# Altium PCB sanziqi_v1.2.PcbDoc
Units mil, origin at the board's own origin, x right, y up, seen from the top; angles counter-clockwise.
Board outline 4409.45 x 3229.94 mil, 2 copper layers (Top Layer, Bottom Layer); 107 components, 67 nets, 340 pads, 481 vias.
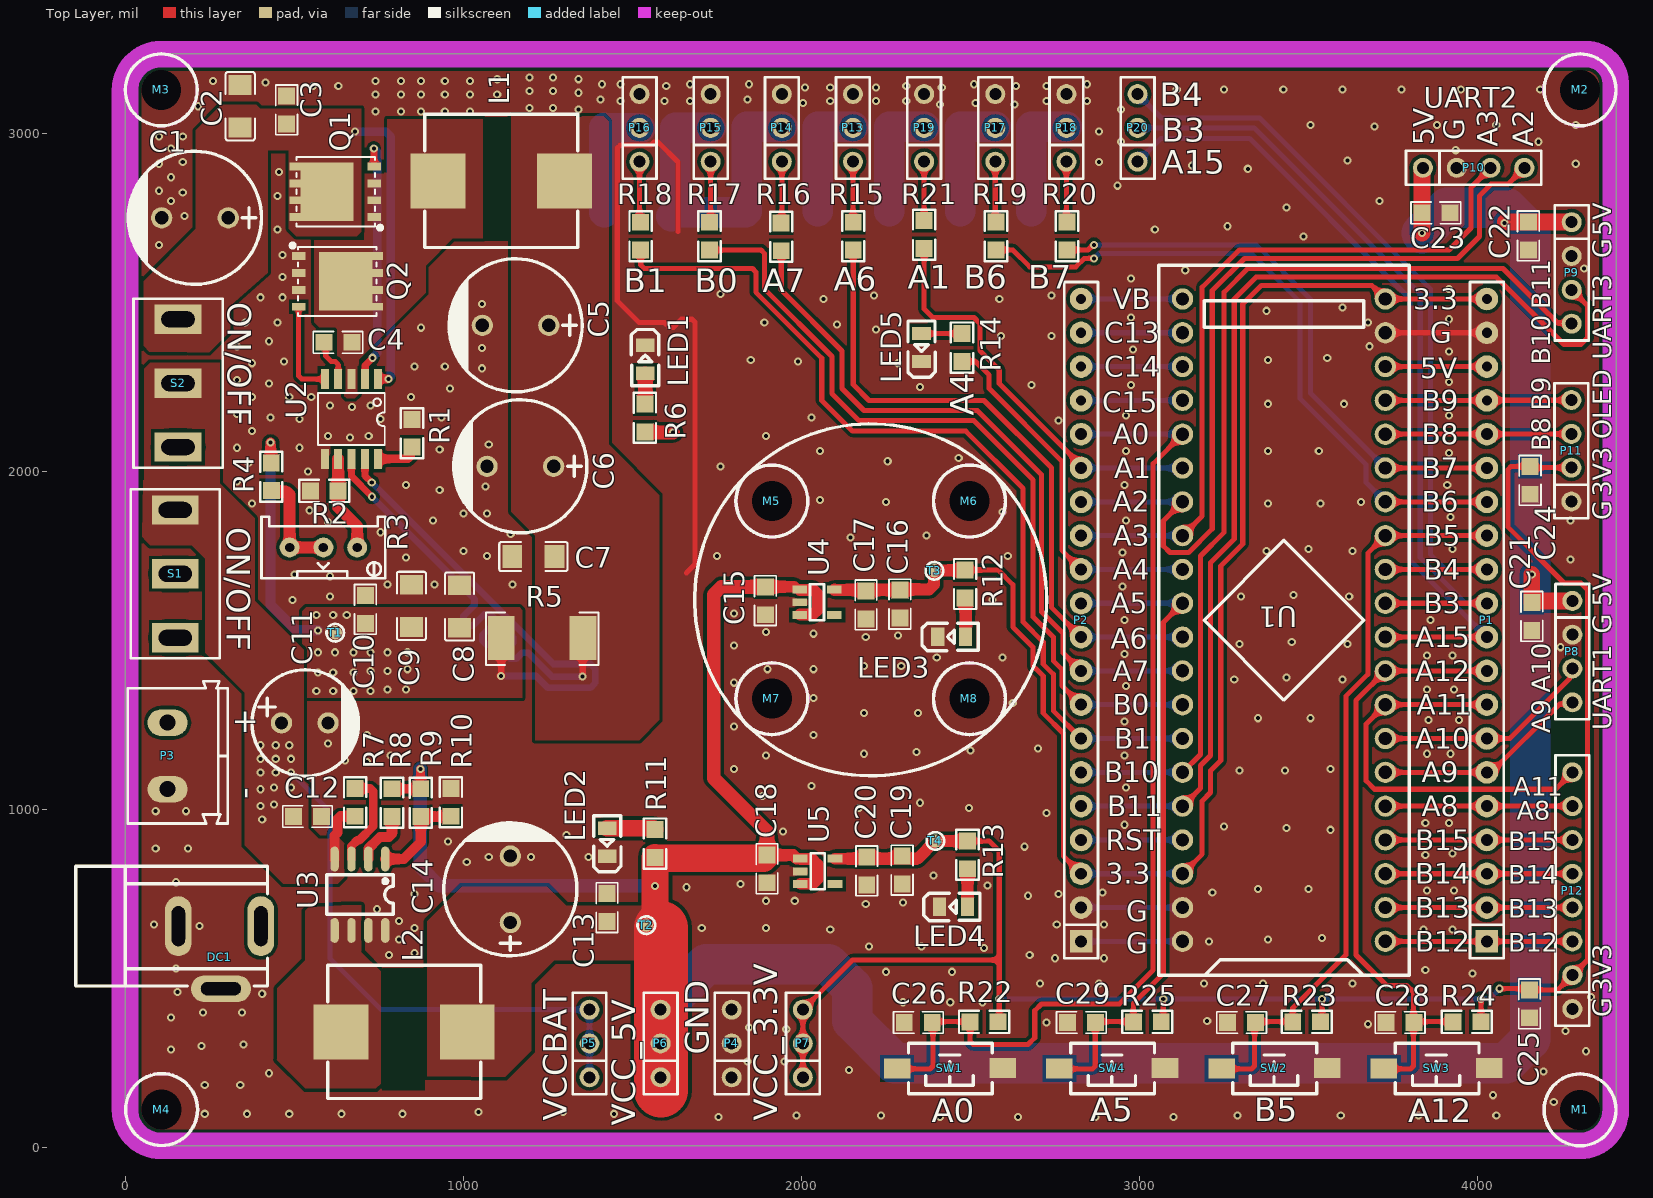
[diagram p0: Top Layer view]
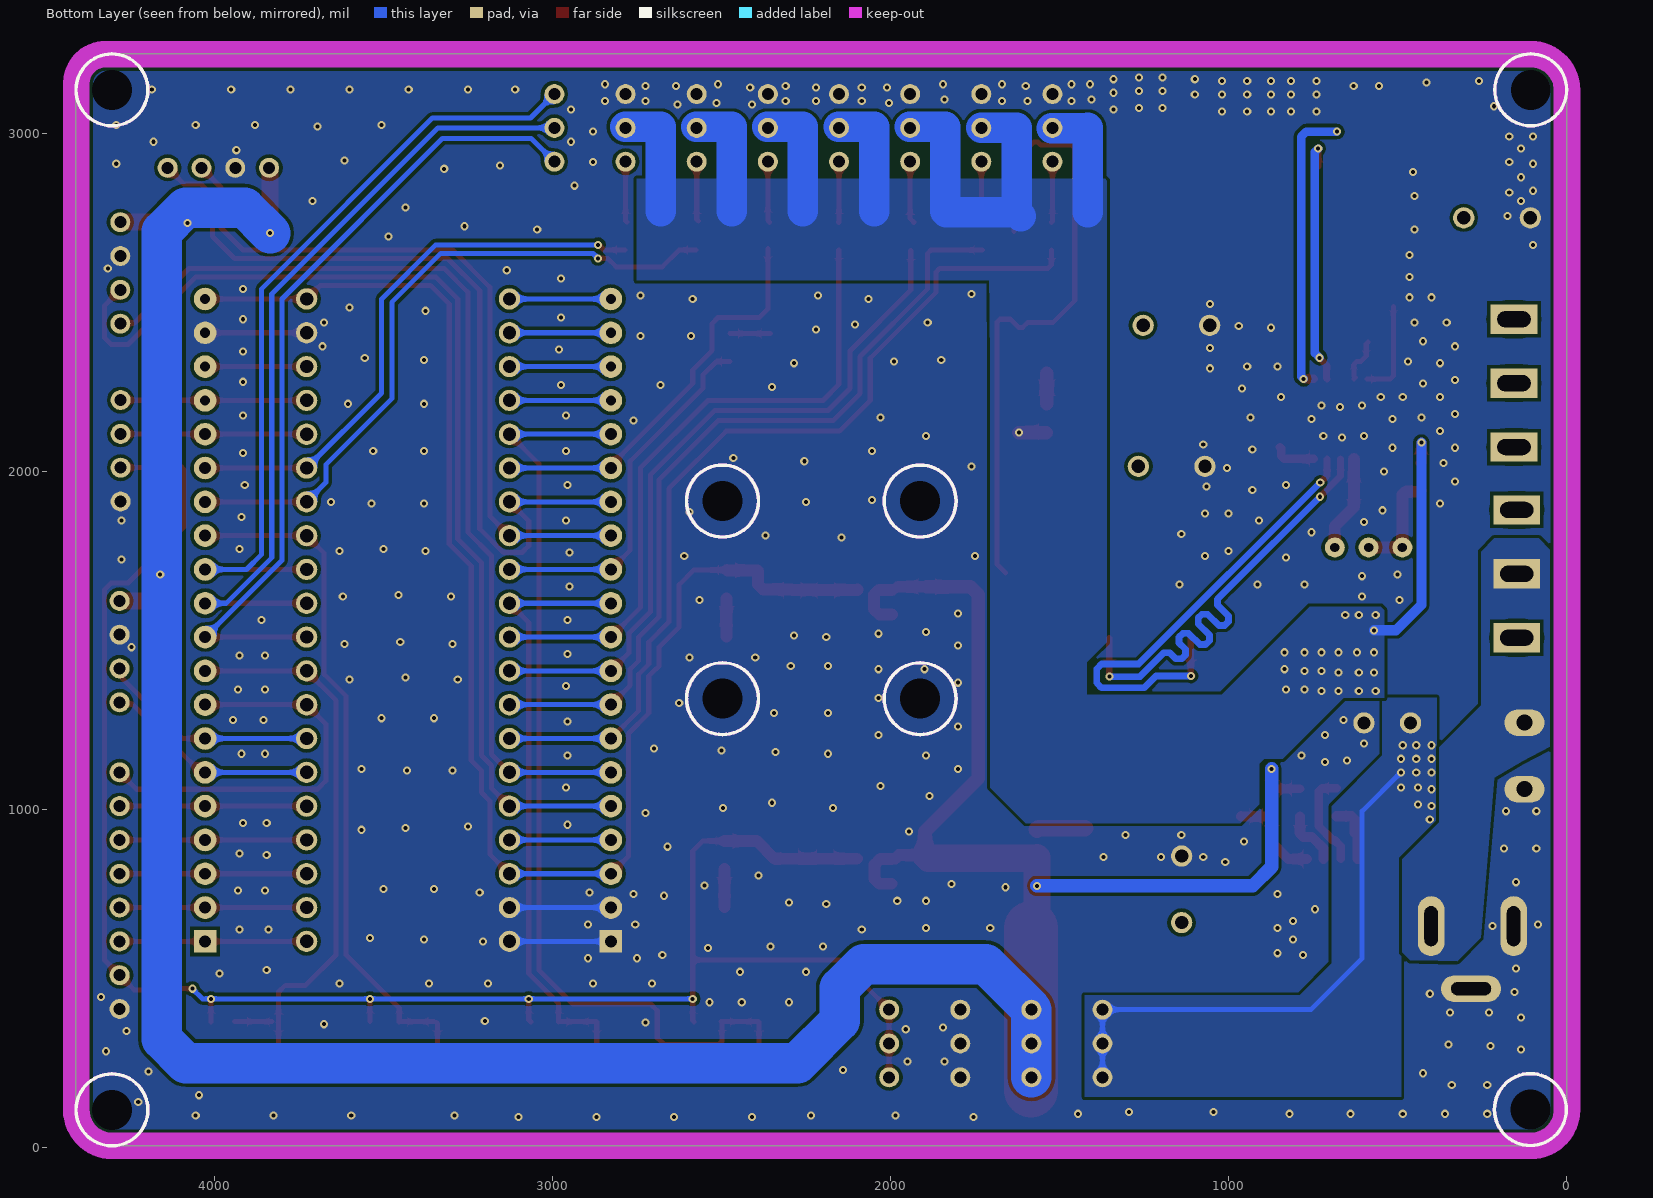
[diagram p1: Bottom Layer view, seen from below]

## Layer stack, top to bottom
Top Solder: solder mask 0.4, Solder Resist, Dk 3.5
Top Layer: signal copper 1.4
Dielectric 1: dielectric 12.6, FR-4, Dk 4.8
Bottom Layer: signal copper 1.4
Bottom Solder: solder mask 0.4, Solder Resist, Dk 3.5

## Board outline
0,110 0,3128 cw(c106.47,3128.47) 106,3234.94 4302.63,3234.94 cw(c4302.81,3128.29) 4409.45,3128.47 4409.45,110.85 cw(c4302.8,111.65) 4302,5 110,5 cw(c107.5,112.5)

## Design rules (kind name [scope] priority, off if disabled: settings)
Clearance [All] p1: gap=6 ignorepadtopadclearanceinfootprint=TRUE except(8: Arc-Arc Arc-Track Track-Track; 10: Arc-Fill Arc-Poly Arc-Region Track-Fill Track-Poly Track-Region SMDPad-Fill SMDPad-Poly SMDPad-Region THPad-Fill THPad-Poly THPad-Region Via-Fill Via-Poly Via-Region Fill-Fill Fill-Poly Fill-Region Poly-Poly Poly-Region Region-Region)
HoleSize [All] p1: absolutevalues=TRUE maxlimit=300 minlimit=1 maxpercent=80.000 minpercent=20.000
PlaneConnect [All] p1: planeconnectstyle=Direct reliefexpansion=20 reliefentries=4 reliefconductorwidth=10 reliefairgap=10
PolygonConnect [All] p1: connectstyle=Direct reliefconductorwidth=10 reliefentries=4 polygonreliefangle="90 Angle" airgapwidth=10
RoutingVias [All] p1: holewidth=12 width=24 viastyle="Through Hole" minholewidth=12 minwidth=24 maxholewidth=12 maxwidth=24
SolderMaskExpansion [All] p1: expansion=4 istentingtop=FALSE
Width PWR [InNetClass('PWR')] p1: maxlimit=200 minlimit=15 preferedwidth=45
Width [All] p2: maxlimit=60 minlimit=15 preferedwidth=20
28 further rules are at their usual default settings.

## Classes and differential pairs
net class PWR: GND VCC VCC_3.3V VCC_5V VCC_MCU_3.3V VCC_Servo_5V VCCBAT

## Components (designator, comment, footprint, x,y, rotation, side; value= is the part's Value field where it differs from the comment)
C1 "470uF" CAP-TH_BD10.0-P5.00-D0.6-FD 206,2750 r180 top
C2 "22uF" C1206 340,3080 r270 top
C3 "0.1uF" C0805 477.1,3116.7 r270 top
C4 "0.1uF" C0805 676.7,2381.9 r180 top
C5 "470uF" CAP-TH_BD10.0-P5.00-D0.6-FD 1154.41,2432 r180 top
C6 "470uF" CAP-TH_BD10.0-P5.00-D0.6-FD 1168.41,2015 r180 top
C7 "4.7uF" C1206 1207,1748 r180 top value=22uF
C8 "22uF" C1206 989,1600.3 r90 top
C9 "22uF" C1206 846,1602.3 r90 top
C10 "0.1uF" C0805 709.9,1544.3 r90 top
C11 "220uF 50V 铝电解" CAP-TH_BD8.0-P3.50-D0.6-FD 530.9,1256 r0 top value=220uF
C12 "0.1uF" C0805 491.3,979.1 r0 top
C13 "0.1uF" C0805 1425,757 r270 top
C14 "470uF" CAP-TH_BD10.0-P5.00-D0.6-FD 1139,764 r90 top
C15 "0.1uF" C0805 1893,1570 r90 top
C16 "0.1uF" C0805 2291,1560 r90 top
C17 "10uF" C0805 2191,1558 r90 top
C18 "0.1uF" C0805 1897.9,777.3 r90 top
C19 "0.1uF" C0805 2297.91,773.3 r90 top
C20 "10uF" C0805 2193.01,771 r90 top
C21 "0.1uF" C0805 4160,1524 r90 top
C22 "0.1uF" C0805 4150,2649 r90 top
C23 "0.1uF" C0805 3923.7,2764.9 r180 top
C24 "0.1uF" C0805 4155,2021 r270 top
C25 "0.1uF" C0805 4153.1,472.7 r270 top
C26 "0.1uF" C0805 2298,369.96 r0 top
C27 "0.1uF" C0805 3254.3,369.96 r0 top
C28 "0.1uF" C0805 3723.3,369.96 r0 top
C29 "0.1uF" C0805 2780.3,369.96 r0 top
DC1 "HC-DC-005-2.5M" DC-005 157.01,655 r180 top
L1 "2.2uH" IND-SMD_L11.5-W10.0_FXL1040 1112,2859 r0 top
L2 "10uH" IND-SMD_L11.5-W10.0_FXL1040 825,342 r0 top
LED1 "NCD0805R1" LED0805-R-RD 1538,2332 r270 top
LED2 "NCD0805R1" LED0805-R-RD 1425,903.35 r90 top
LED3 "NCD0805R1" LED0805-R-RD 2444.01,1511 r0 top
LED4 "NCD0805R1" LED0805-R-RD 2449.66,712 r0 top
LED5 "NCD0805R1" LED0805-R-RD 2355,2366.35 r90 top
M1 "MountHole" M3-MountHole 4302.8,111.65 r270 top
M2 "MountHole" M3-MountHole 4302.8,3128.47 r0 top
M3 "MountHole" M3-MountHole 106.47,3128.47 r0 top
M4 "MountHole" M3-MountHole 107.5,112.5 r270 top
M5 "MountHole" M3-MountHole 1912.27,1912.41 r0 top
M6 "MountHole" M3-MountHole 2496.92,1912.41 r0 top
M7 "MountHole" M3-MountHole 1912.27,1327.76 r0 top
M8 "MountHole" M3-MountHole 2496.92,1327.76 r0 top
P1 "MHDR1X20" HDR2.54-LI-20P 4027,1560 r90 top
P2 "MHDR1X20" HDR2.54-LI-20P 2827,1560 r90 top
P3 "KF/WJ/DG 30x connecter" "KF/WJ/DG 301-2p-5.0mm" 125,1158.42 r270 top
P4 "Header-D-M 1x3P" HDR1X3-M 1793.67,208 r90 top
P5 "Header-D-M 1x3P" HDR1X3-M 1373,208 r90 top
P6 "Header-D-M 1x3P" HDR1X3-M 1583.33,208 r90 top
P7 "Header-D-M 1x3P" HDR1X3-M 2004,208 r90 top
P8 "Header-D-M 1x4P" HDR1X4-M 4280.01,1617 r270 top
P9 "Header-D-M 1x4P" HDR1X4-M 4278,2737 r270 top
P10 "Header-D-M 1x4P" HDR1X4-M 3838,2898 r0 top
P11 "Header-D-M 1x4P" HDR1X4-M 4277,1911 r90 top
P12 "Header-D-M 1x8P" HDR1X8-M 4280,410 r90 top
P13 "Header-D-M 1x3P" HDR1X3-M 2152.29,2916 r90 top
P14 "Header-D-M 1x3P" HDR1X3-M 1941.86,2916 r90 top
P15 "Header-D-M 1x3P" HDR1X3-M 1731.44,2916 r90 top
P16 "Header-D-M 1x3P" HDR1X3-M 1521.01,2916 r90 top
P17 "Header-D-M 1x3P" HDR1X3-M 2573.14,2916 r90 top
P18 "Header-D-M 1x3P" HDR1X3-M 2783.57,2916 r90 top
P19 "Header-D-M 1x3P" HDR1X3-M 2362.72,2916 r90 top
P20 "Header-D-M 1x3P" HDR1X3-M 2994,2916 r90 top
Q1 "HY1904C2" DFN-8_L5.9-W5.2-P1.27-LS6.2-BL 621,2827 r90 top
Q2 "HY1904C2" DFN-8_L5.9-W5.2-P1.27-LS6.2-BL 628,2562 r270 top
R1 "150k ±1%" R0805 848.2,2071.7 r90 top value=150k
R2 "25K ±1%" R0805 629.63,1942.63 r180 top value=25K
R3 "100K" RESPOT3296W 586,1775 r180 top
R4 "57.6K ±1%" R0805 431.8,2025.3 r270 top value=57.6K
R5 "4mΩ" RES-SMD_L6.4-W3.2-R2512 1233,1507 r180 top
R6 "10K ±1%" R0805 1536.8,2199.3 r270 top value=10K
R7 "100k ±1%" R0805 679.8,1062.3 r270 top value=100k
R8 "0 ±1%" R0805 788.8,1061.3 r270 top value=0
R9 "100k ±1%" R0805 873.8,1061.3 r270 top value=100k
R10 "25K ±1%" R0805 963,980 r90 top value=25K
R11 "10K ±1%" R0805 1566.8,940.3 r270 top value=10K
R12 "10K ±1%" R0805 2484.01,1626 r90 top value=10K
R13 "10K ±1%" R0805 2491.21,824.7 r90 top value=10K
R14 "4.7K ±1%" R0805 2474.8,2407.3 r270 top value=4.7K
R15 "100R ±1%" R0805 2153.2,2654.7 r90 top value=100R
R16 "100R ±1%" R0805 1940.2,2652.7 r90 top value=100R
R17 "100R ±1%" R0805 1727.87,2654.7 r90 top value=100R
R18 "100R ±1%" R0805 1524.2,2654.7 r90 top value=100R
R19 "100R ±1%" R0805 2575,2655 r90 top value=100R
R20 "100R ±1%" R0805 2785,2655 r90 top value=100R
R21 "100R ±1%" R0805 2362.92,2659.42 r90 top value=100R
R22 "10K ±1%" R0805 2499,372 r0 top value=10K
R23 "10K ±1%" R0805 3453,372 r0 top value=10K
R24 "10K ±1%" R0805 3927,372 r0 top value=10K
R25 "10K ±1%" R0805 2981.7,372 r0 top value=10K
S1 "SW-SPDT" SS12D10 148,1697 r90 top
S2 "SW-SPDT" SS12D10 156,2260.98 r90 top
SW1 "SW-PB_V" "TSW SMD-3*6*2.5" 2438,234 r180 top
SW2 "SW-PB_V" "TSW SMD-3*6*2.5" 3397.56,234 r180 top
SW3 "SW-PB_V" "TSW SMD-3*6*2.5" 3877.33,234 r180 top
SW4 "SW-PB_V" "TSW SMD-3*6*2.5" 2917.78,234 r180 top
T1 "Testpoint-Pad" testpoint-pad-1mm 621,1523 r0 top
T2 "Testpoint-Pad" testpoint-pad-1mm 1541,658 r270 top
T3 "Testpoint-Pad" testpoint-pad-1mm 2393,1706 r90 top
T4 "Testpoint-Pad" testpoint-pad-1mm 2396.01,907 r90 top
U1 "STM32F103C8T6" CONN-TH_L53.3-W22.9_STM32F103C8T6-CARD 3427,1560 r90 top
U2 "NDP1415RB" SSOP-10_L4.9-W3.9-P1.00-LS6.0-BL-1 669,2155 r180 top
U3 "NDP2450KC" SOP-8_L4.9-W3.9-P1.27-LS6.0-BL 694,748 r180 top
U4 "RT9013-33" SOT-23-5 2046,1613 r0 top
U5 "RT9013-33" SOT-23-5 2048.01,817 r0 top

## Footprints (in the part's own frame and the unit in brackets; to place one, negate y for a bottom-side part, rotate by r counter-clockwise, add the part's x,y. Pads: shape width x height; smd on the part's side, far side on the other; paste and mask are expansions set on the pad)
C0805 [mil]
  rect 50x50 smd: 1(6,0) 2(88.7,-0.1)
  silkscreen extent -26,-32 121,32, body extent 8,-24 87,25, height 30
C1206 [mm]
  rect 1.485x1.728 smd paste-100 mask+0.051: 1(-1.593,0) 2(1.593,0)
  silkscreen extent -2.56,-1.09 2.56,1.09
CAP-TH_BD8.0-P3.50-D0.6-FD [mm]
  round 1.6 hole 1: 1(-1.75,0) 2(1.75,0)
  silkscreen extent -3.96,-4 4.04,4
CAP-TH_BD10.0-P5.00-D0.6-FD [mm]
  round 1.6 hole 1 paste+0 mask+0.05: 1(-2.5,0) 2(2.5,0)
  silkscreen extent -5,-5 5.08,5
CONN-TH_L53.3-W22.9_STM32F103C8T6-CARD [mm]
  round 1.6 hole 1: 1(-24.13,-7.62) 2(-21.59,-7.62) 3(-19.05,-7.62) 4(-16.51,-7.62) 5(-13.97,-7.62) 6(-11.43,-7.62) 7(-8.89,-7.62) 8(-6.35,-7.62) 9(-3.81,-7.62) 10(-1.27,-7.62) 11(1.27,-7.62) 12(3.81,-7.62) 13(6.35,-7.62) 14(8.89,-7.62) 15(11.43,-7.62) 16(13.97,-7.62) 17(16.51,-7.62) 18(19.05,-7.62) 19(21.59,-7.62) 20(24.13,-7.62) 21(24.13,7.62) 22(21.59,7.62) 23(19.05,7.62) 24(16.51,7.62) 25(13.97,7.62) 26(11.43,7.62) 27(8.89,7.62) 28(6.35,7.62) 29(3.81,7.62) 30(1.27,7.62) 31(-1.27,7.62) 32(-3.81,7.62) 33(-6.35,7.62) 34(-8.89,7.62) 35(-11.43,7.62) 36(-13.97,7.62) 37(-16.51,7.62) 38(-19.05,7.62) 39(-21.59,7.62) 40(-24.13,7.62)
  silkscreen extent -26.67,-9.4 26.67,9.4
DC-005 [mm] "DC母座5.5mm"
  oval 2x4.5 hole 1 slot 3 at 90 deg: 1(-6.2,0) 2(0,0)
  oval 4.5x2 hole 1 slot 3 at 0 deg: 3(-3.2,4.7)
  silkscreen extent -6.7,-4.5 7.7,4.5, body extent -6.55,-4.5 7.5,4.8, height 11.25
DFN-8_L5.9-W5.2-P1.27-LS6.2-BL [mm]
  rect 0.6x1 smd paste-100 mask+0.05: 1(-1.905,-2.925) 2(-0.635,-2.925) 3(0.635,-2.925) 4(1.905,-2.925) 5(1.905,2.925) 6(0.635,2.925) 7(-0.635,2.925) 8(-1.905,2.925)
  rect 4.41x4 smd paste-100 mask+0.05: 9(0,0.61)
  silkscreen extent -2.85,-3.53 2.6,2.92
HDR1X3-M [mm]
  round 1.5 hole 0.9: 1(0,0) 2(2.54,0) 3(5.08,0)
  silkscreen extent -1.27,-1.27 6.35,1.27, body extent -1.27,-1.27 6.35,1.27, height 8.54
HDR1X4-M [mm]
  round 1.5 hole 0.9: 1(0,0) 2(2.54,0) 3(5.08,0) 4(7.62,0)
  silkscreen extent -1.27,-1.27 8.89,1.27, body extent -1.27,-1.27 8.89,1.27, height 8.54
HDR1X8-M [mm]
  round 1.5 hole 0.9: 1(0,0) 2(2.54,0) 3(5.08,0) 4(7.62,0) 5(10.16,0) 6(12.7,0) 7(15.24,0) 8(17.78,0)
  silkscreen extent -1.27,-1.27 19.05,1.27, body extent -1.27,-1.27 19.05,1.27, height 8.54
HDR2.54-LI-20P [mm] "排针，20脚"
  rect 1.7x1.7 hole 0.9: 1(-24.13,0)
  round 1.7 hole 0.9: 2(-21.59,0) 3(-19.05,0) 4(-16.51,0) 5(-13.97,0) 6(-11.43,0) 7(-8.89,0) 8(-6.35,0) 9(-3.81,0) 10(-1.27,0) 11(1.27,0) 12(3.81,0) 13(6.35,0) 14(8.89,0) 15(11.43,0) 16(13.97,0)
  round 1.7 hole 0.762: 17(16.51,0) 18(19.05,0) 19(21.59,0) 20(24.13,0)
  silkscreen extent -25.4,-1.27 25.4,1.27, body extent -25.4,-1.27 25.4,1.27, height 2.54
IND-SMD_L11.5-W10.0_FXL1040 [mm]
  rect 4.1x4.1 smd: 1(-4.75,0) 2(4.75,0)
  silkscreen extent -5.75,-5 5.75,5
"KF/WJ/DG 301-2p-5.0mm" [mm]
  oval 2x3 hole 1.2: 1(2.5,0) 2(-2.5,0)
  silkscreen extent -5.6,-3 5.08,4.53, body extent -5.6,-3 5,4.6, height 10
LED0805-R-RD [mm]
  rect 1x1.4 smd: 1(1.05,0) 2(-1.05,0)
  silkscreen extent -2.22,-1.04 1.99,1.01
M3-MountHole [mm]
  rect 0x0 hole 3 unplated: 1(0,0)
  Keep-Out Layer circle w0.254: c0,0 r2.7
  silkscreen extent -2.7,-2.7 2.7,2.7
R0805 [mil]
  rect 50x50 smd: 1(0,0) 2(82.3,0.2)
  silkscreen extent -33,-33 115,33, body extent 1,-24 80,25, height 22
RES-SMD_L6.4-W3.2-R2512 [mm]
  rect 2x3.3 smd: 1(-3.066,0) 2(3.066,0)
  silkscreen extent -4.23,-1.91 4.23,2.01
RESPOT3296W [mm]
  round 1.5 hole 0.7: 1(-2.54,0) 2(2.54,0) ADJ(0,0)
  silkscreen extent -4.65,-2.3 4.65,2.3, body extent -4.75,-2.4 4.75,2.4, height 3.1
SOP-8_L4.9-W3.9-P1.27-LS6.0-BL [mm]
  oval 0.63x1.865 smd: 1(-1.905,-2.682) 2(-0.635,-2.682) 3(0.635,-2.682) 4(1.905,-2.682) 5(1.905,2.682) 6(0.635,2.682) 7(-0.635,2.682) 8(-1.905,2.682)
  silkscreen extent -2.5,-1.5 2.5,1.48
SOT-23-5 [mm]
  rect 1.1x0.6 smd: 1(-1.3,0.95) 2(-1.3,0) 3(-1.3,-0.95) 4(1.3,-0.95) 5(1.3,0.95)
  silkscreen extent -0.53,-1.35 0.53,1.35, body extent -1.42,-1.46 1.42,1.46, height 1.08
SS12D10 [mm]
  rect 2.2x3.5 hole 2.5 slot 1.2 at 0 deg mask+0.07: 1(-4.8,0) 2(0,0) 3(4.8,0)
  silkscreen extent -6.35,-3.35 6.35,3.35, body extent -6.4,-3.3 6.35,3.8, height 12.5
SSOP-10_L4.9-W3.9-P1.00-LS6.0-BL-1 [mm]
  rect 0.6x1.5 smd paste+0 mask+0.05: 1(-2,-3) 2(-1,-3) 3(0,-3) 4(1,-3) 5(2,-3) 6(2,3) 7(1,3) 8(0,3) 9(-1,3) 10(-2,3)
  silkscreen extent -2.5,-1.95 2.5,1.95
testpoint-pad-1mm [mm]
  round 1 smd: 1(0,0)
  silkscreen extent -0.66,-0.66 0.66,0.66
"TSW SMD-3*6*2.5" [mm] "3*6*2.5mm"
  rect 2x1.5 smd: 1(-3.996,-0.02) 2(3.937,0)
  silkscreen extent -3.21,-1.9 3.09,1.9, body extent -4,-1.88 4,1.62, height 2.59

## Part data
C1 C5 C6 C14: library part HG1H477M1016PC, "直插固态电容 470UF", Equivalent Series Resistance(ESR)=32mΩ, JLCPCB Part Class="Extended Part", LCSC Part Name="470uF ±20% 50V", Lifetime @ Temp=2000hrs@105℃, Manufacturer=HONOR(荣誉), Operating Temperature=-55℃~+105℃, Rated Voltage=50V, Ripple Current=3.15A, Tolerance=±20%, Add into BOM=yes, Convert to PCB=yes, Datasheet=https://atta.szlcsc.com/upload/public/pdf/source/20230323/E6B46A248FBB182638B68380B3289E6D.pdf, Device=HG1H477M1016PC, L=16mm, Lead Spacing=5mm, Manufacturer Part=HG1H477M1016PC, Supplier=LCSC, Supplier Footprint=插件,D10xL16mm, Supplier Part=C5438877, Symbol=HG1H477M1016PC, φD=10mm
C2 C7 C8 C9: library part "Cap 22uF 1206", JLCPCB Part Class="Extended Part", LCSC Part Name="22uF ±20% 35V", Manufacturer=HRE(芯声), Manufacturer Part=CGA1206X5R226M350NT, Temperature Coefficient=X5R, Tolerance=±20%, Voltage Rated=35V, Add into BOM=yes, Convert to PCB=yes, Device=CGA1206X5R226M350NT, Supplier=LCSC, Supplier Footprint=1206, Supplier Part=C6119969, Symbol=CGA1206X5R226M350NT
C3 C4 C10 C15 C16 C18 C19 C21 C22 C23 C24 C25 C26 C27 C28 C29: library part "Cap 0.1uF 0805", "贴片电容0805", Revision=V1.0
C11: library part "220uF 50V", "直插电解电容 220uF", Voltage=50V, Revision=V1.0, Type=铝电解
C12 C13: library part "0.1uF 0805", "贴片电容0805", Revision=V1.0
C17 C20: library part "Cap 10uF 0805", "贴片电容0805", Revision=V1.0
DC1: JLCPCB Part Class=ExtendedPart, Manufacturer=HCTL(华灿天禄), 3DModel=DC-IN-TH_KH-DC-005-2.5, Add into BOM=yes, Convert to PCB=yes, Device=HC-DC-005-2.5M, link=https://atta.szlcsc.com/upload/public/pdf/source/20210716/C2847170_7F0110A0BEDEE81C68B76DF87AC8DA16.pdf, Manufacturer Part=HC-DC-005-2.5M, Name=HC-DC-005-2.5M, Origin Footprint=DC-IN-TH_KH-DC-005-2.5, Supplier=LCSC, Supplier Part=C3010535, Symbol=HC-DC-005-2.5M
L1: library part FXL1050-2R2-M, DC Resistance (DCR)=6mΩ, JLCPCB Part Class="Extended Part", LCSC Part Name="2.2uH ±20% 19A", Manufacturer=cjiang(长江微电), Rated Current=15A, Saturation Current (Isat)=19A, Tolerance=±20%, Add into BOM=yes, Convert to PCB=yes, Datasheet=https://atta.szlcsc.com/upload/public/pdf/source/20240426/3189EA8206330E2108542F9E34E540E7.pdf, Device=FXL1050-2R2-M, Manufacturer Part=FXL1050-2R2-M, Supplier=LCSC, Supplier Footprint=SMD,10x11.5mm, Supplier Part=C5359259, Symbol=FXL1050-2R2-M, Type=一体成型电感
L2: library part FXL1040-100-M, Current - Saturation (Isat)=8.5A, DC Resistance (DCR)=30mΩ, JLCPCB Part Class="Extended Part", LCSC Part Name="10uH ±20% 8.5A", Manufacturer=cjiang(长江微电), Rated Current=7.8A, Tolerance=±20%, Add into BOM=yes, Convert to PCB=yes, Datasheet=https://atta.szlcsc.com/upload/public/pdf/source/20240426/3189EA8206330E2108542F9E34E540E7.pdf, Device=FXL1040-100-M, Manufacturer Part=FXL1040-100-M, Supplier=LCSC, Supplier Footprint=SMD,11.5x10mm, Supplier Part=C475915, Symbol=FXL1040-100-M, Type=一体成型电感
LED1 LED2 LED3 LED4 LED5: library part LED, Color Temperature=-, Emitted Color=红色, Forward Current=20mA, Forward Voltage (VF)=1.6V~2.6V, JLCPCB Part Class="Basic Part", Lens Color=无色透明, Manufacturer=国星光电, Operating Temperature=-30℃~+85℃, Power Dissipation=65mW, Add into BOM=yes, Convert to PCB=yes, Datasheet=https://atta.szlcsc.com/upload/public/pdf/source/20200820/C84256_F0A75A43B3EAD75808600A0514C76B99.pdf, Device=NCD0805R1, Diode Configuration=独立二极管, Dominant Wavelength=615nm~630nm, Lamp Holder Type=-, LCSC Part Name=NCD0805R1, Luminous Intensity=67mcd~195mcd, Manufacturer Part=NCD0805R1, Mounting Sytle=-, Peak Wavelength=-, Supplier=LCSC, Supplier Footprint=0805, Supplier Part=C84256, Symbol=FC-2012HRK-620D, Viewing Angle=130°
M1 M2 M3 M4 M5 M6 M7 M8: "固定孔"
P1 P2: "Header, 20-Pin", LatestRevisionDate=17-Jul-2002, LatestRevisionNote="Re-released for DXP Platform.", Publisher="Altium Limited"
P3: library part "KF/WJ/DG 30x", "接线端子 2Pin"
P4 P5 P6 P7 P13 P14 P15 P16 P17 P18 P19 P20: "1x3pin, 直插, 排针", Revision=V1.0
P8 P9 P10 P11: "1x4pin, 直插, 排针", Revision=V1.0
P12: "1x8pin, 直插, 排针", Revision=V1.0
Q1 Q2: Continuous Drain Current (Id)=65A, Drain Source On Resistance (RDS(on)@Vgs,Id)=5.1mΩ@10V,20A, Drain Source Voltage (Vdss)=40V, Gate Threshold Voltage (Vgs(th)@Id)=1.7V@250uA, Input Capacitance (Ciss@Vds)=2.391nF, JLCPCB Part Class="Extended Part", LCSC Part Name="1个N沟道 耐压:40V 电流:65A", Manufacturer=HUAYI(华羿微), Operating Temperature=-55℃~+150℃, Power Dissipation (Pd)=48W, Reverse Transfer Capacitance (Crss@Vds)=195pF, Add into BOM=yes, Convert to PCB=yes, Datasheet=https://atta.szlcsc.com/upload/public/pdf/source/20240403/459DCB52747AD59BD0F26F373CF55DC0.pdf, Device=HY1904C2, Manufacturer Part=HY1904C2, Supplier=LCSC, Supplier Footprint=PPAK-8L(5x6), Supplier Part=C358116, Symbol=HY1904C2, Type=1个N沟道
R1: library part Res-Chip-150K, "贴片电阻", Power=1/8W, Tolerance=±1%, Revision=V1.0
R2 R10: library part Res-Chip-25K, "贴片电阻", Power=1/8W, Tolerance=±1%, Revision=V1.0
R3: library part Res-Adj-3p, "可调电阻"
R4: library part Res-Chip-57.6K, "贴片电阻", Power=1/8W, Tolerance=±1%, Revision=V1.0
R5: library part Res-Chip-4mR-2512-3W, JLCPCB Part Class="Extended Part", LCSC Part Name="4mΩ ±1% 3W", Manufacturer=Milliohm(毫欧), Manufacturer Part=HoJLR2512-3W-4mR-1%, Power(Watts)=3W, Tolerance=±1%, Add into BOM=yes, Convert to PCB=yes, Datasheet=https://atta.szlcsc.com/upload/public/pdf/source/20211009/7525CABAB363C979E942C1DD41F1FEF0.pdf, Device=HoJLR2512-3W-4mR-1%, Mounting Sytle=贴片, Supplier=LCSC, Supplier Footprint=2512, Supplier Part=C2904236, Symbol=HOJLR2512-3W-4MR-1%, Type=采样电阻
R6 R11 R12 R13 R14: library part Res-Chip-4.7K, "贴片电阻", Power=1/8W, Tolerance=±1%, Revision=V1.0
R7 R9: library part Res-Chip-100K, "贴片电阻", Power=1/8W, Tolerance=±1%, Revision=V1.0
R8: library part Res-Chip-0, "贴片电阻", Power=1/8W, Tolerance=±1%, Revision=V1.0
R15 R16 R17 R18 R19 R20 R21: library part Res-Chip-100R, "贴片电阻", Power=1/8W, Tolerance=±1%, Revision=V1.0
R22 R23 R24 R25: library part Res-Chip-10K, "贴片电阻", Power=1/8W, Tolerance=±1%, Revision=V1.0
S1 S2: "单刀双掷开关 3脚船型、钮子、拨动开关 SPDT Subminiature Toggle Switch", Price(RMB)=0.000, Published=24-Mar-1999, Publisher="Altium Limited"
SW1 SW2 SW3 SW4: "SWITCH"